# Altium PCB STM32unitV1.PcbDoc (part 2 of 4) (continued)
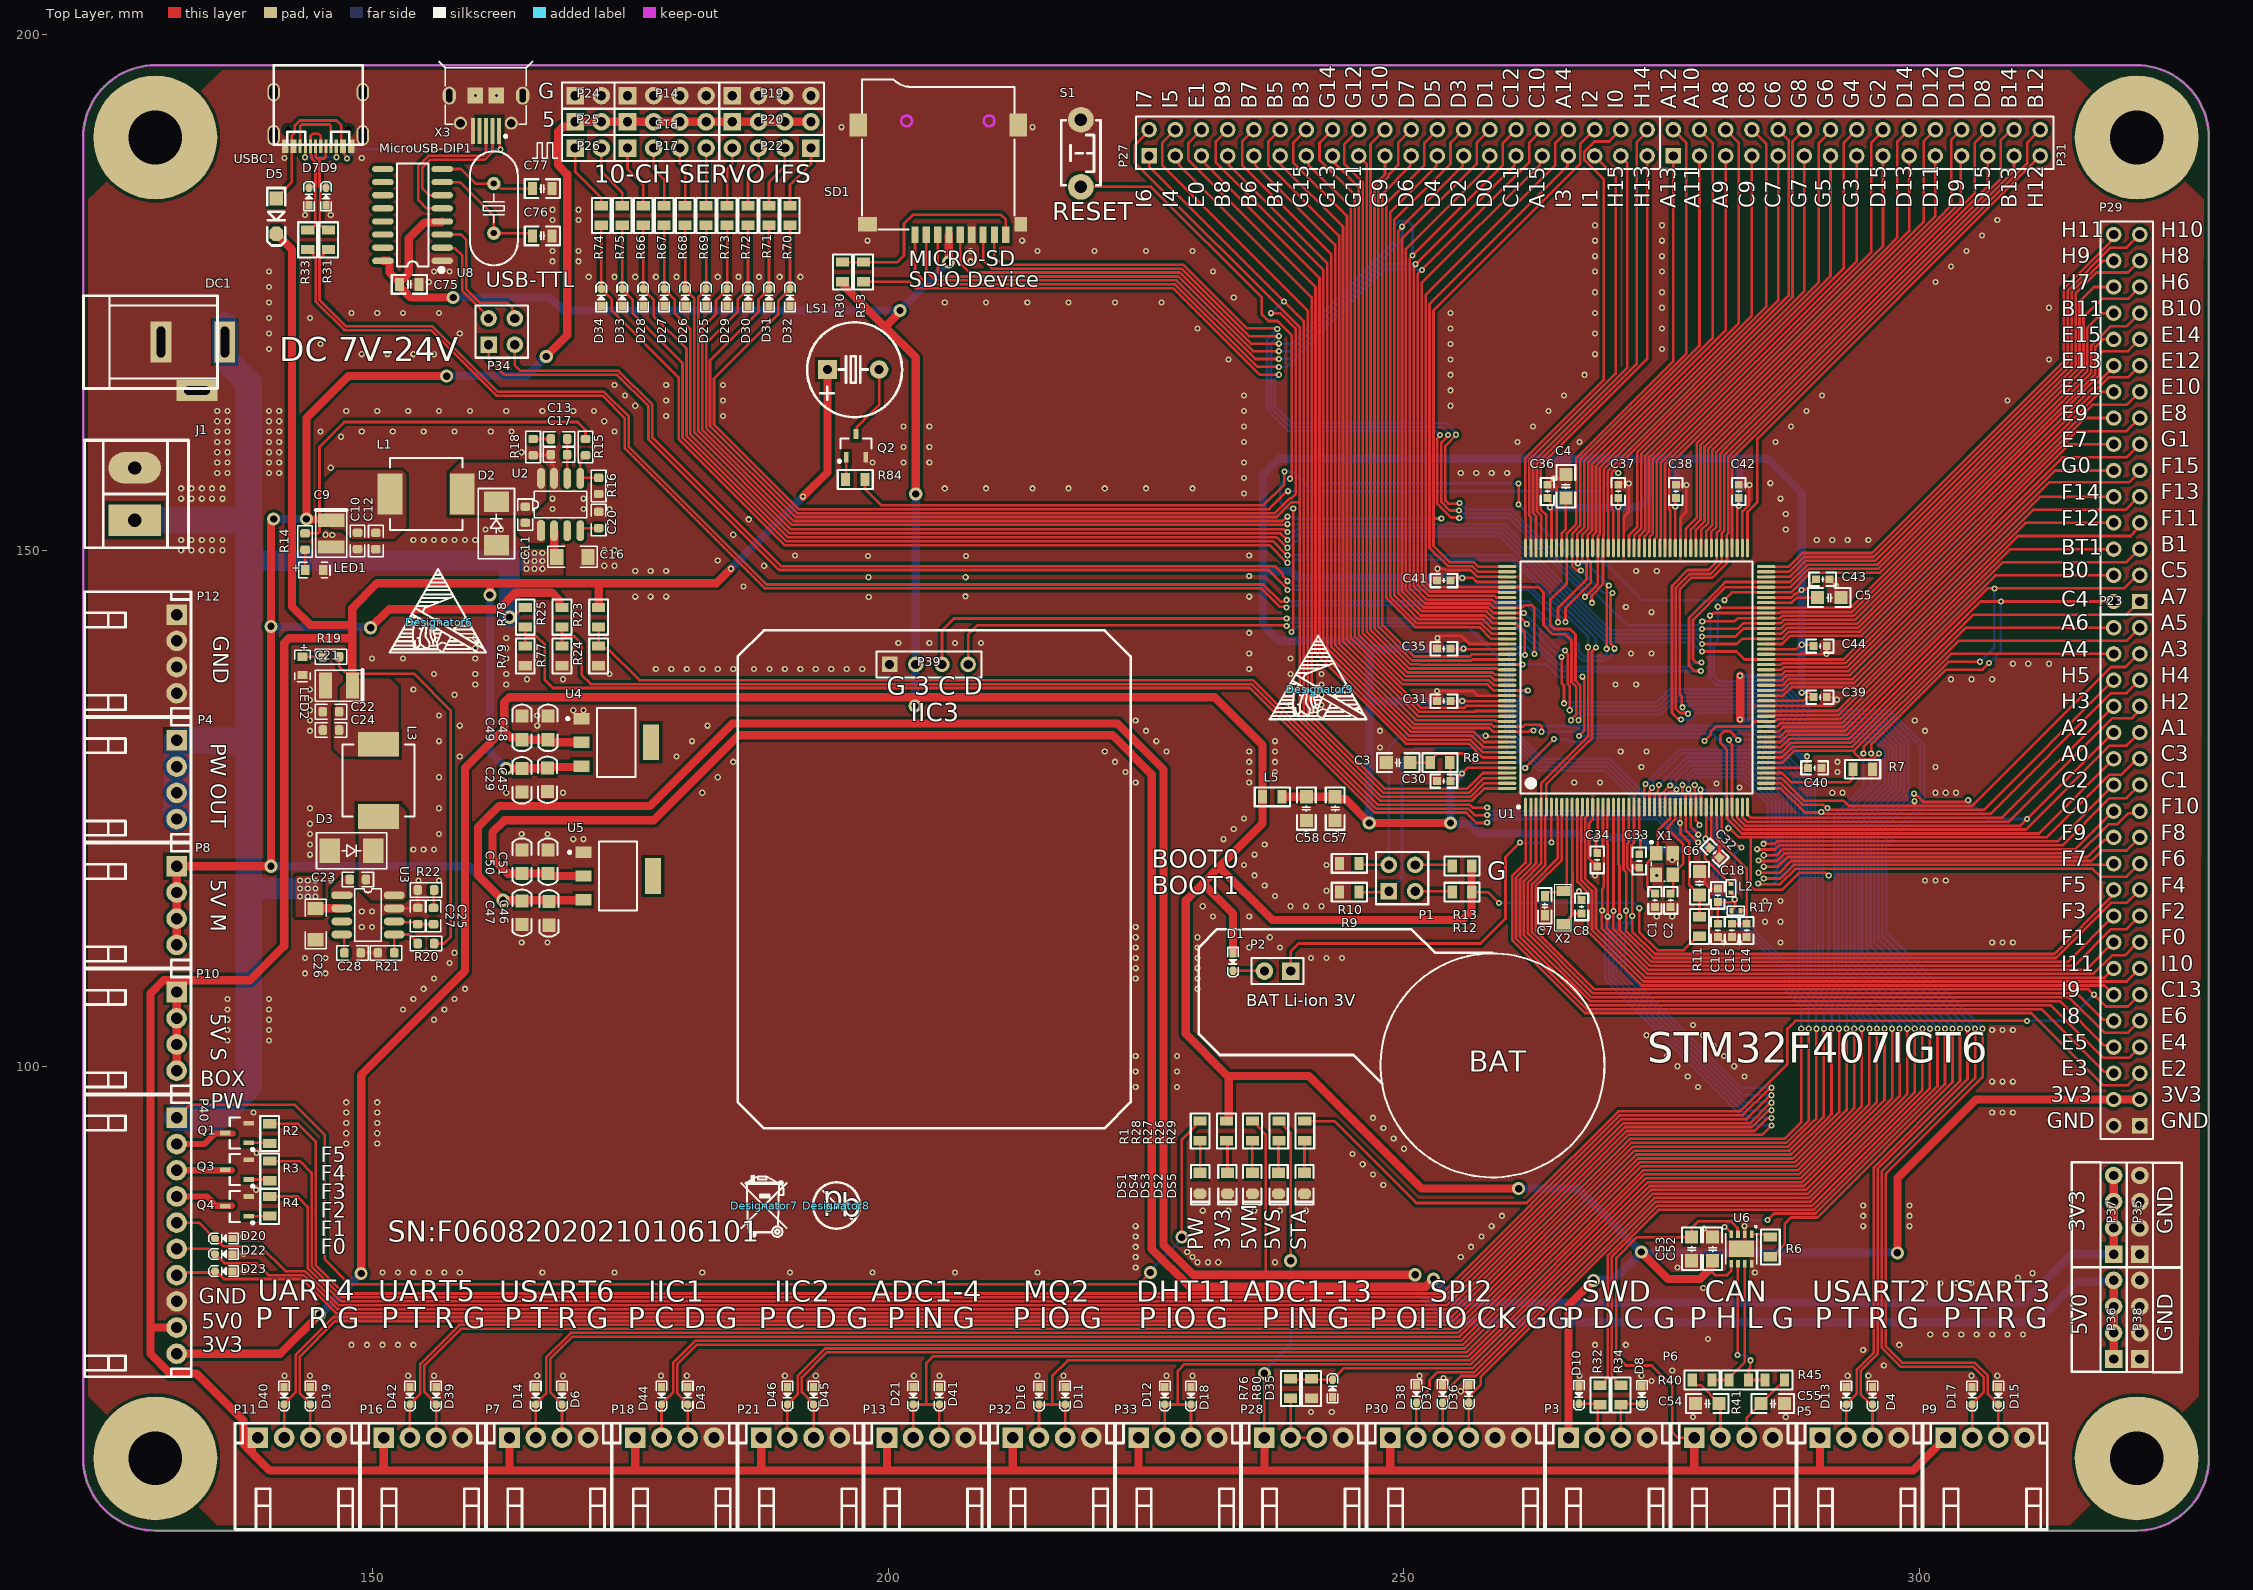
[diagram p0: Top Layer view]
## Nets (pads, with @x,y where several pads share a name; then routed paths per layer and width w, separated by ;. In a path a pad name is that pad's centre, name@x,y a point inside that pad or via, vN(x,y) a via of type N, cw(c..) or ccw(c..) an arc to the next point about the centre after c; other vN are vias at no path point) (continued)
NetP26_2: P26.2 R75.2 | length 6.4
  Top Layer w0.254: P26.2@172.212,188.976 172.212,186.69 174.244,184.658 R75.2@174.244,183.388
NetP28_2: P28.2 P28.3 R76.2 | length 6.4
  Top Layer w0.254: R76.2@239.014,67.818 P28.2@239.014,64.008 P28.3@241.554,64.008
NetP34_2: P34.2 U8.2 | length 10.1
  Top Layer w0.254: U8.2@157.48,179.324 U8.2@156.799,179.324 156.865,179.258 158.054,179.258 158.75,178.562 158.75,175.133 161.29,172.593 P34.2@161.29,172.466
NetP34_4: P34.4 U8.3 | length 13.7
  Top Layer w0.254: U8.3@156.799,180.594 158.623,180.594 159.131,180.086 159.131,175.291 160.432,173.99 163.092,173.99 163.572,173.509 163.572,172.724 P34.4@163.83,172.466
NetP40_2: P40.2 Q1.3 | length 5.9
  Top Layer w0.6: P40.2@131.064,92.456 133.731,92.456 134.747,93.472 136.525,93.472
NetP40_3: P40.3 Q3.3 | length 5.3
  Top Layer w0.6: P40.3@131.064,89.916 136.398,89.916
NetP40_4: P40.4 Q4.3 | length 5.7
  Top Layer w0.6: P40.4@131.064,87.376 133.985,87.376 134.874,86.487 136.398,86.487
NetQ1_1: Q1.1 R2.1 | length 2.1
  Top Layer w0.254: Q1.1@138.049,92.583 140.015,92.583 R2.1@140.081,92.517
NetQ2_1: Q2.1 R84.1 | length 2.2
  Top Layer w0.254: R84.1@195.874,156.845 195.94,156.911 Q2.1@195.94,159.004
NetQ3_1: Q3.1 R3.1 | length 2.1
  Top Layer w0.254: Q3.1@138.049,89.027 139.954,89.027 R3.1@140.081,88.9
NetQ4_1: Q4.1 R4.1 | length 2
  Top Layer w0.254: Q4.1@138.049,85.471 R4.1@140.081,85.471
NetR7_1: R7.1 U1.48 | length 9.8
  Top Layer w0.254: U1.48@285.092,128.418 286.625,128.418 287.535,127.508 293.116,127.508 293.502,127.894 R7.1@293.502,128.778
NetR15_1: R15.1 R16.2 U2.5 | length 4.3
  Top Layer w0.254: R15.1@170.688,159.204 170.666,159.204 170.18,158.718 U2.5@170.18,156.972 170.234,157.026 R16.2@171.958,157.026
NetR20_1: R20.1 R21.2 U3.5 | length 4.5
  Top Layer w0.254: R21.2@152.146,110.983 U3.5@152.146,112.761 153.621,112.761 154.432,111.95 R20.1@154.432,111.887
NetR30_1: R30.1 R53.2 SD1.9 | length 21.2
  Top Layer w0.254: R30.1@195.58,177.922 R53.2@197.612,177.922 200.909,177.922 201.549,178.562 201.549,181.645 202.403,182.499 210.947,182.499 211.41,182.036 SD1.9@211.41,180.594
NetR40_2: R40.2 R41.2 U6.7 | length 13.6
  Top Layer w0.254: R40.2@279.842,69.596 R41.2@281.498,69.596 281.498,69.787 283.032,71.321 U6.7@283.032,80.863
NetR41_1: R41.1 R45.2 U6.6 | length 13.9
  Top Layer w0.254: v1(282.321,72.009) 282.346,72.034 282.346,80.838 U6.6@282.372,80.863 ; v1(283.591,71.501) 283.559,71.469 283.559,70.82 283.398,70.659 R41.1@283.398,69.596 R45.2@284.988,69.596
  Bottom Layer w0.254: v1(282.321,72.009) 282.334,71.996 283.096,71.996 v1(283.591,71.501)
NRST: C6.2 R11.2 S1.1 U1.31 | length 119.2
  Top Layer w0.254: S1.1@218.694,185.218 225.5,185.218 236.22,174.498 236.22,172.847 236.855,172.212 237.744,172.212 239.141,170.815 239.141,157.2 238.968,157.027 v1(238.968,156.934) ; v1(239.089,142.09) 239.089,142.183 239.272,142.367 239.272,154.047 v1(239.268,154.051) ; v1(276.738,123.571) 276.792,123.517 276.792,122.534 277.663,121.662 277.663,117.561 C6.2@278.638,116.586 R11.2@278.638,114.488 ; v1@276.792,123.571 U1.31@276.792,125.118
  Bottom Layer w0.254: v1(238.968,156.934) 238.927,156.893 238.554,156.893 237.998,156.337 237.998,154.686 238.633,154.051 v1(239.268,154.051) ; v1(239.089,142.09) 239.62,142.621 256.159,142.621 259.842,138.938 259.842,131.826 263.017,128.651 269.494,128.651 273.05,125.095 275.308,125.095 276.738,123.665 v1(276.738,123.571)
PA0: D14.2 P7.2 P23.30 U1.40 | length 235.2
  Top Layer w0.254: P7.2@165.862,64.008 D14.2@165.862,67.222 165.862,67.272 166.878,68.288 166.878,71.786 169.26,74.168 255.247,74.168 272.519,91.44 287.524,91.44 291.077,94.993 291.43,95.346 v1(291.43,103.632) ; v1(282.385,131.618) 282.385,131.683 281.607,132.461 281.051,132.461 280.67,132.08 280.67,131.318 281.292,130.696 U1.40@281.292,125.118 281.301,125.109 281.301,123.991 282.737,122.555 311.531,122.555 P23.30@318.77,129.794
  Bottom Layer w0.254: v1(282.385,131.618) 282.42,131.653 283.926,131.653 288.671,126.908 288.671,107.981 291.43,105.222 v1(291.43,103.632)
PA1: D6.2 P7.3 P23.31 U1.41 | length 237.2
  Top Layer w0.254: P7.3@168.402,64.008 D6.2@168.402,67.222 168.402,67.272 167.259,68.415 167.259,71.628 169.418,73.787 255.404,73.787 272.676,91.059 287.682,91.059 292.164,95.541 v1(292.164,103.632) ; v1(281.507,131.618) 281.573,131.552 281.573,131.367 281.792,131.149 U1.41@281.792,125.118 281.801,125.109 281.801,124.03 282.894,122.936 310.261,122.936 318.389,131.064 320.04,131.064 P23.31@321.31,132.334
  Bottom Layer w0.254: v1(281.507,131.618) 282.061,132.172 283.945,132.172 289.052,127.065 289.052,108.139 292.164,105.027 v1(292.164,103.632)
PA2: D13.2 P5.2 P23.32 U1.42 | length 125.7
  Top Layer w0.254: U1.42@282.292,125.118 282.301,125.109 282.301,124.068 283.052,123.317 309.753,123.317 P23.32@318.77,132.334 ; P5.2@292.862,64.008 D13.2@292.862,67.222 292.862,67.272 293.878,68.288 293.878,70.612 295.529,72.263 295.529,90.201 303.881,98.553 v1(303.881,103.632) ; v1(299.426,126.409) 299.52,126.409 299.692,126.237 299.695,126.237 300.33,125.603 304.406,125.603 304.579,125.776 v1(304.673,125.776)
  Bottom Layer w0.254: v1(299.426,126.409) 299.345,126.409 295.585,122.65 295.585,111.984 303.881,103.688 v1(303.881,103.632) ; v1(304.673,125.776) 306.497,123.952 v1(310.388,123.952)
PA3: D4.2 P5.3 P23.37 U1.47 | length 115.6
  Top Layer w0.254: U1.47@285.092,127.918 286.586,127.918 288.05,126.454 288.23,126.274 288.528,125.976 288.774,125.73 292.608,125.73 293.116,125.222 299.466,125.222 ; P5.3@295.402,64.008 D4.2@295.402,67.222 295.23,67.394 295.064,67.394 294.259,68.199 294.259,70.454 295.91,72.105 295.91,90.043 304.609,98.742 v1(304.609,103.632) ; v1(299.466,125.683) 299.466,125.222 ; P23.37@321.31,139.954 321.183,139.954 319.913,138.684 318.516,138.684 305.054,125.222 299.466,125.222
  Bottom Layer w0.254: v1(299.466,125.683) 299.4,125.617 299.092,125.617 295.966,122.492 295.966,112.33 304.609,103.688 v1(304.609,103.632)
PA4: D35.2 P23.38 R76.1 R80.2 U1.50 | length 148.6
  Top Layer w0.254: R76.1@239.014,69.718 239.114,69.618 241.046,69.618 D35.2@243.078,69.618 244.199,70.739 256.667,70.739 273.939,88.011 288.945,88.011 298.034,97.1 v1(298.034,103.632) ; U1.50@285.092,129.418 286.677,129.418 287.844,130.585 293.618,130.585 ; v1(296.037,130.302) 296.037,130.281 295.504,129.748 294.284,129.748 293.618,130.413 293.618,130.585 ; P23.38@318.77,139.954 302.987,139.954 293.618,130.585
  Bottom Layer w0.254: 292.608,124.102 292.481,123.975 292.481,109.601 298.014,104.068 298.014,103.652 v1(298.034,103.632) ; 292.608,124.103 296.037,127.532 v1(296.037,130.302)
PA5: P23.39 U1.51 | length 41.4
  Top Layer w0.254: U1.51@285.092,129.918 286.638,129.918 287.686,130.966 293.461,130.966 303.719,141.224 320.04,141.224 P23.39@321.31,142.494
PA6: P23.40 U1.52 | length 38.7
  Top Layer w0.254: U1.52@285.092,130.418 286.599,130.418 287.528,131.347 293.303,131.347 304.45,142.494 P23.40@318.77,142.494
PA7: P29.1 U1.53 | length 42.1
  Top Layer w0.254: U1.53@285.092,130.918 286.526,130.918 287.336,131.728 293.145,131.728 305.181,143.764 320.04,143.764 P29.1@321.31,145.034
PA8: P31.6 U1.119 | length 46.9
  Top Layer w0.254: U1.119@268.292,150.218 268.301,150.227 268.301,151.448 268.605,151.752 268.605,158.169 282.448,172.012 282.448,189.484 P31.6@281.178,190.754
PA9: P31.5 P34.3 U1.120 | length 168
  Top Layer w0.254: P34.3@163.83,169.926 163.83,167.925 164.369,167.386 173.894,167.386 177.165,164.115 177.165,160.909 189.611,148.463 237.49,148.463 238.263,147.69 238.263,147.51 238.718,147.055 v1(238.718,147.002) ; v1(265.649,143.04) 265.649,144.386 268.097,146.833 268.097,148.834 267.792,149.139 U1.120@267.792,150.218 267.801,150.227 267.801,151.486 268.224,151.91 268.224,158.327 281.178,171.281 P31.5@281.178,188.214
  Bottom Layer w0.254: v1(238.718,147.002) 238.793,147.002 239.237,146.558 262.172,146.558 265.649,143.081 v1(265.649,143.04)
PA10: P31.4 P34.1 U1.121 | length 172.5
  Top Layer w0.254: P34.1@161.29,169.926 161.29,168.529 162.814,167.005 173.736,167.005 176.784,163.957 176.784,160.751 189.453,148.082 236.855,148.082 238.714,146.223 v1(238.714,146.161) ; v1(264.922,143.024) 264.922,144.399 267.692,147.169 267.692,148.674 267.292,149.074 U1.121@267.292,150.218 267.292,151.516 267.843,152.067 267.843,158.485 279.908,170.55 279.908,189.484 P31.4@278.638,190.754
  Bottom Layer w0.254: v1(238.714,146.161) 238.73,146.177 262.014,146.177 264.856,143.335 264.856,143.09 v1(264.922,143.024)
PA11: P31.3 R31.1 U1.122 | length 201.8
  Top Layer w0.254: R31.1@145.796,179.136 145.606,179.136 145.288,178.818 145.288,178.628 144.907,178.247 144.907,174.275 147.478,171.704 155.86,171.704 162.21,165.354 172.466,165.354 174.879,162.941 174.879,160.02 188.214,146.685 236.347,146.685 238.017,145.015 238.357,145.015 238.539,145.197 v1(238.633,145.197) ; v1(266.846,148.717) 266.801,148.762 266.801,150.209 U1.122@266.792,150.218 266.792,151.555 267.462,152.225 267.462,158.643 278.638,169.819 P31.3@278.638,188.214 ; v1(269.642,140.449) 269.637,140.453 269.637,146.276 269.849,146.487 v1(269.849,146.581)
  Bottom Layer w0.254: v1(238.633,145.197) 238.726,145.197 238.882,145.041 262.121,145.041 265.176,141.986 265.852,141.986 266.954,140.884 266.954,140.208 267.462,139.7 269.367,139.7 269.642,139.975 v1(269.642,140.449) ; v1(266.846,148.717) 267.713,148.717 v1(269.849,146.581)
PA12: P31.2 R33.1 U1.123 | length 206.7
  Top Layer w0.254: R33.1@143.764,179.136 143.955,179.136 144.272,178.818 144.272,178.628 144.526,178.374 144.526,174.117 147.32,171.323 155.702,171.323 162.052,164.973 172.308,164.973 174.498,162.783 174.498,159.862 188.056,146.304 236.189,146.304 237.984,144.509 238.555,144.509 v1(238.621,144.442) ; v1(267.138,148.047) 267.113,148.071 266.703,148.071 266.292,148.482 U1.123@266.292,150.218 266.292,151.594 267.081,152.383 267.081,158.8 277.368,169.087 277.368,189.484 P31.2@276.098,190.754 ; v1(270.208,145.867) 270.208,145.773 270.018,145.583 270.018,140.942 270.403,140.557 v1(270.403,140.464)
  Bottom Layer w0.254: v1(238.621,144.442) 238.687,144.509 238.997,144.509 239.141,144.653 261.96,144.653 265.015,141.598 265.701,141.598 266.566,140.733 266.566,140.047 267.301,139.312 269.571,139.312 270.337,140.078 270.337,140.397 v1(270.403,140.464) ; v1(267.138,148.047) 267.159,148.047 269.338,145.867 v1(270.208,145.867)
PA13: P31.1 R32.1 U1.124 | length 183.7
  Top Layer w0.254: v1(266.908,133.523) 266.908,133.617 267.081,133.79 267.081,136.906 266.619,137.368 266.619,141.813 266.065,142.367 264.563,142.367 264.16,142.77 264.16,145.161 265.792,146.793 U1.124@265.792,150.218 265.792,151.633 266.7,152.541 266.7,158.958 276.098,168.356 P31.1@276.098,188.214 ; R32.1@268.986,69.088 269.176,69.088 269.494,69.406 269.494,69.596 269.748,69.85 269.748,81.661 274.574,86.487 289.576,86.487 300.616,97.527 300.969,97.88 v1(300.969,103.632)
  Bottom Layer w0.254: v1(266.908,133.523) 267.497,134.112 274.952,134.112 276.222,135.382 285.842,135.382 288.636,132.588 296.151,132.588 297.734,131.005 297.734,126.954 294.005,123.225 294.005,110.646 300.969,103.682 v1(300.969,103.632)
PA14: P27.34 R34.1 U1.137 | length 199.9
  Top Layer w0.254: U1.137@259.992,146.409 252.625,146.409 252.095,146.939 252.095,174.752 264.668,187.325 264.668,189.484 P27.34@265.938,190.754 ; U1.137@259.992,146.418 260.001,146.427 260.783,146.427 260.788,146.431 263.017,146.431 263.525,145.923 263.525,142.748 264.414,141.859 265.638,141.859 266.238,141.259 266.238,137.21 266.7,136.748 266.7,134.098 266.181,133.579 v1(266.181,133.523) ; R34.1@271.018,69.088 270.827,69.088 270.51,69.406 270.51,69.596 270.129,69.977 270.129,81.503 274.732,86.106 289.734,86.106 301.7,98.073 v1(301.7,103.632)
  Bottom Layer w0.254: v1(266.181,133.523) 266.181,133.579 267.095,134.493 274.794,134.493 276.064,135.763 286,135.763 288.794,132.969 296.309,132.969 298.115,131.163 298.115,126.796 294.386,123.067 294.386,110.999 301.7,103.684 v1(301.7,103.632)
PA15: P27.31 U1.138 | length 54.9
  Top Layer w0.254: U1.138@259.992,145.918 259.23,145.918 259.146,146.002 252.494,146.002 251.714,146.781 251.714,175.895 263.17,187.351 263.17,187.986 P27.31@263.398,188.214
PB0: P29.4 U1.56 | length 40
  Top Layer w0.254: U1.56@285.092,132.418 285.101,132.427 286.322,132.427 286.766,132.871 292.599,132.871 307.302,147.574 P29.4@318.77,147.574
PB1: P29.5 U1.57 | length 43.3
  Top Layer w0.254: U1.57@285.092,132.918 285.101,132.927 286.187,132.927 286.512,133.252 292.441,133.252 302.641,143.452 308.033,148.844 320.04,148.844 P29.5@321.31,150.114
PB3: P27.14 U1.161 | length 70.5
  Top Layer w0.254: P27.14@240.538,190.754 239.268,189.484 239.268,187.579 244.475,182.372 244.475,141.328 251.437,134.366 256.838,134.366 256.89,134.418 U1.161@259.992,134.418
PB4: P27.11 U1.162 | length 68.5
  Top Layer w0.254: P27.11@237.998,188.214 237.998,187.452 244.094,181.356 244.094,141.17 251.346,133.918 U1.162@259.992,133.918
PB5: P27.12 U1.163 | length 72.5
  Top Layer w0.254: P27.12@237.998,190.754 236.855,189.611 236.855,187.325 243.713,180.467 243.713,140.97 251.146,133.537 258.826,133.537 258.936,133.427 259.983,133.427 U1.163@259.992,133.418
PB8: P27.7 U1.167 | length 72.9
  Top Layer w0.254: P27.7@232.918,188.214 233.045,188.087 233.045,187.325 242.57,177.8 242.57,140.497 250.673,132.394 256.763,132.394 257.741,131.417 258.675,131.417 258.676,131.418 U1.167@259.992,131.418
PB9: P27.8 U1.168 | length 76.9
  Top Layer w0.254: P27.8@232.918,190.754 231.775,189.611 231.775,187.579 242.189,177.165 242.189,140.339 250.515,132.013 256.606,132.013 257.701,130.918 U1.168@259.992,130.918
PB10: D17.2 P9.2 P29.23 U1.79 | length 169.2
  Top Layer w0.254: v1(279.654,143.661) 279.748,143.661 280.004,143.918 U1.79@285.092,143.918 286.412,143.918 286.512,144.018 293.401,144.018 316.611,167.228 316.611,169.863 318.452,171.704 320.04,171.704 P29.23@321.31,172.974 ; P9.2@305.054,64.008 D17.2@305.054,67.222 305.054,67.272 306.197,68.415 306.197,69.85 305.181,70.866 298.165,70.866 296.291,72.74 296.291,89.789 305.343,98.841 v1(305.343,103.632)
  Bottom Layer w0.254: v1(279.654,143.661) 279.654,137.541 280.289,136.906 286.474,136.906 289.268,134.112 296.926,134.112 300.02,131.018 300.02,125.454 299.974,125.408 299.974,125.222 296.347,121.595 296.347,112.677 305.343,103.681 v1(305.343,103.632)
PB11: D15.2 P9.3 P29.24 U1.80 | length 167.8
  Top Layer w0.254: v1(280.416,144.526) 280.51,144.526 280.618,144.418 U1.80@285.092,144.418 293.262,144.418 316.23,167.386 316.23,171.577 317.627,172.974 P29.24@318.77,172.974 ; v1(306.07,103.632) 306.07,98.933 296.672,89.535 296.672,72.898 298.323,71.247 305.339,71.247 306.578,70.008 306.578,68.238 D15.2@307.594,67.222 P9.3@307.594,64.008
  Bottom Layer w0.254: v1(280.416,144.526) 280.416,141.288 280.035,140.907 280.035,137.795 280.543,137.287 286.632,137.287 289.426,134.493 297.084,134.493 300.401,131.176 300.401,125.11 296.728,121.438 296.728,113.03 306.07,103.688 v1(306.07,103.632)
PB12: P31.30 U1.92 | length 52.9
  Top Layer w0.254: U1.92@281.792,150.218 281.792,158.887 310.388,187.483 310.388,189.484 P31.30@311.658,190.754
PB13: D36.2 P30.4 P31.27 U1.93 | length 188.1
  Top Layer w0.254: P30.4@256.286,64.008 D36.2@256.286,67.388 256.294,67.396 256.294,67.986 257.429,69.122 257.429,69.881 274.416,86.868 289.418,86.868 300.235,97.685 v1(300.235,103.632) ; v1(276.995,134.778) 276.93,134.844 276.93,135.804 276.733,136.001 276.733,146.242 277.811,147.32 279.843,147.32 281.305,148.782 281.305,149.422 281.301,149.427 U1.93@281.301,149.856 ; U1.93@281.292,150.218 281.292,151.519 281.411,151.638 281.411,159.045 309.118,186.752 P31.27@309.118,188.214
  Bottom Layer w0.254: v1(276.995,134.778) 277.089,134.778 277.312,135.001 285.685,135.001 288.479,132.207 295.993,132.207 297.353,130.847 297.353,127.111 293.624,123.382 293.624,110.293 300.235,103.682 v1(300.235,103.632)
PB14: D37.2 P30.3 P31.28 U1.94 | length 193.1
  Top Layer w0.254: P30.3@253.746,64.008 D37.2@253.746,67.388 253.746,67.438 254.635,68.327 254.635,69.088 255.524,69.977 256.983,69.977 274.255,87.249 289.26,87.249 299.502,97.49 v1(299.502,103.632) ; v1(277.535,134.158) 277.469,134.224 276.766,134.224 276.352,134.638 276.352,146.4 277.653,147.701 279.685,147.701 280.792,148.808 U1.94@280.792,150.218 280.792,151.638 281.03,151.876 281.03,159.202 307.848,186.02 307.848,189.738 308.864,190.754 P31.28@309.118,190.754
  Bottom Layer w0.254: v1(277.535,134.158) 277.997,134.62 285.527,134.62 288.321,131.826 295.835,131.826 296.972,130.689 296.972,127.269 293.243,123.54 293.243,110.109 299.435,103.917 299.435,103.698 v1(299.502,103.632)
PB15: D38.2 P30.2 P31.25 U1.95 | length 191.6
  Top Layer w0.254: P30.2@251.206,64.008 D38.2@251.206,67.388 251.206,67.438 252.476,68.708 252.476,69.596 253.238,70.358 256.825,70.358 274.097,87.63 289.102,87.63 298.415,96.943 298.768,97.295 v1(298.768,103.632) ; v1(276.86,133.604) 276.794,133.67 276.54,133.67 275.971,134.239 275.971,146.558 277.495,148.082 279.527,148.082 280.292,148.847 U1.95@280.292,150.218 280.292,151.677 280.649,152.034 280.649,159.36 281.18,159.891 306.578,185.289 P31.25@306.578,188.214
  Bottom Layer w0.254: v1(276.86,133.604) 277.764,133.604 278.399,134.239 285.369,134.239 288.163,131.445 295.677,131.445 296.591,130.531 296.591,127.427 293.129,123.965 292.862,123.698 292.862,109.855 298.702,104.015 298.702,103.698 v1(298.768,103.632)
PC0: P23.26 R78.1 R79.2 U1.32 | length 185.5
  Top Layer w0.254: R79.2@164.846,140.716 164.846,141.638 ; R78.1@164.846,142.56 164.846,141.638 ; v1(258.064,123.606) 258.029,123.571 257.048,123.571 256.032,124.587 247.142,124.587 235.077,136.652 167.513,136.652 166.751,137.414 166.751,140.843 165.956,141.638 164.846,141.638 ; v1(276.987,127.254) 276.987,126.471 277.283,126.174 277.283,125.127 U1.32@277.292,125.118 277.292,122.885 v1(278.511,121.666) ; v1(284.861,120.445) 286.162,120.445 286.748,121.031 315.087,121.031 P23.26@318.77,124.714
  Bottom Layer w0.254: v1(258.064,123.606) 258.12,123.606 258.466,123.952 274.496,123.952 276.528,121.92 278.048,121.92 278.236,121.732 278.445,121.732 v1(278.511,121.666) ; v1(276.987,127.254) 276.987,127.666 278.099,128.778 282.987,128.778 286.004,125.761 286.004,120.65 285.75,120.396 284.91,120.396 v1(284.861,120.445)
PC1: P23.27 R25.1 R77.2 U1.33 | length 182.6
  Top Layer w0.254: R77.2@168.402,140.716 168.402,141.638 ; R25.1@168.402,142.56 168.402,141.638 ; v1(258.064,124.333) 256.825,124.333 256.19,124.968 247.3,124.968 235.235,137.033 171.196,137.033 170.307,137.922 170.307,140.97 169.639,141.638 168.402,141.638 ; v1(277.582,126.836) 277.582,126.742 277.792,126.531 277.792,123.168 v1(278.522,122.439) ; v1(284.226,121.031) 284.258,120.999 285.941,120.999 286.354,121.412 313.817,121.412 318.389,125.984 320.04,125.984 P23.27@321.31,127.254
  Bottom Layer w0.254: v1(258.064,124.333) 274.654,124.333 276.686,122.301 278.29,122.301 278.428,122.439 v1(278.522,122.439) ; v1(277.582,126.836) 277.582,127.722 278.257,128.397 282.829,128.397 285.623,125.603 285.623,121.158 285.464,120.999 284.258,120.999 v1(284.226,121.031)
PC2: P23.28 R23.1 R24.2 U1.34 | length 170.1
  Top Layer w0.254: R24.2@171.958,140.716 171.958,140.938 171.958,141.351 ; R23.1@171.958,142.56 171.958,141.351 ; v1(258.064,125.06) 256.637,125.06 256.348,125.349 247.458,125.349 235.393,137.414 175.895,137.414 172.825,140.484 172.466,140.484 172.371,140.579 172.371,140.938 172.053,140.938 171.958,141.034 171.958,141.351 ; v1(278.176,127.254) 278.176,126.298 278.283,126.19 278.283,125.127 U1.34@278.292,125.118 278.292,123.803 278.638,123.457 v1(278.638,123.364) ; v1(284.84,121.553) 285.956,121.553 286.196,121.793 313.309,121.793 P23.28@318.77,127.254
  Bottom Layer w0.254: v1(258.064,125.06) 258.12,125.06 258.466,124.714 274.812,124.714 276.763,122.763 278.037,122.763 v1(278.638,123.364) ; v1(278.176,127.254) 278.176,127.777 278.415,128.016 282.671,128.016 285.242,125.445 285.242,121.955 v1(284.84,121.553)
PC3: D21.2 D41.2 P13.2 P13.3 P23.29 U1.35 | length 203.7
  Top Layer w0.254: P13.2@202.438,64.008 D21.2@202.438,67.222 203.708,67.222 ; P13.3@204.978,64.008 D41.2@204.978,67.222 203.708,67.222 ; v1(278.74,126.795) 278.783,126.752 278.783,125.127 U1.35@278.792,125.118 ; v1(281.432,123.063) 281.526,123.063 281.69,122.899 281.723,122.899 282.448,122.174 283.591,122.174 312.27,122.174 317.766,127.67 318.354,128.258 319.52,128.258 321.056,129.794 P23.29@321.31,129.794 ; 283.718,122.174 283.591,122.047 283.591,117.475 283.972,117.094 286.639,117.094 288.29,118.745 290.843,118.745 291.097,118.491 v1(291.165,118.491) ; v1(295.833,103.632) 295.833,96.515 288.471,89.154 273.466,89.154 256.194,71.882 204.343,71.882 203.708,71.247 203.708,67.222
  Bottom Layer w0.254: v1(278.74,126.795) 280.494,126.795 281.432,125.857 v1(281.432,123.063) ; v1(291.165,118.491) 291.165,108.758 295.833,104.09 v1(295.833,103.632)
PC4: D12.2 D18.2 P29.2 P33.2 P33.3 U1.54 | length 190.6
  Top Layer w0.254: P33.2@226.822,64.008 D12.2@226.822,67.222 228.092,67.222 ; P33.3@229.362,64.008 D18.2@229.362,67.222 228.092,67.222 ; U1.54@285.092,131.418 286.487,131.418 287.178,132.109 292.953,132.109 305.878,145.034 P29.2@318.77,145.034 ; v1(295.275,130.302) 295.275,131.16 302.545,138.43 306.07,138.43 v1(306.705,139.065) ; v1(297.3,103.632) 297.3,96.905 296.947,96.553 288.787,88.392 273.781,88.392 256.509,71.12 228.727,71.12 228.092,70.485 228.092,67.222
  Bottom Layer w0.254: 292.227,124.259 292.1,124.132 292.1,109.22 297.267,104.053 297.267,103.666 v1(297.3,103.632) ; 292.227,124.26 295.275,127.308 v1(295.275,130.302) ; v1(306.705,139.065) 307.848,140.208 v1(307.848,145.034)
PC5: D11.2 D16.2 P29.3 P32.2 P32.3 U1.55 | length 206
  Top Layer w0.254: P32.2@214.63,64.008 D16.2@214.63,67.222 215.9,67.222 ; P32.3@217.17,64.008 D11.2@217.17,67.222 215.9,67.222 ; U1.55@285.092,131.918 286.448,131.918 287.02,132.49 292.757,132.49 306.571,146.304 319.786,146.304 321.056,147.574 P29.3@321.31,147.574 ; v1(294.513,130.302) 294.559,130.348 294.559,130.983 302.768,139.192 v1(305.816,139.192) ; v1(296.566,103.632) 296.566,96.71 288.629,88.773 273.623,88.773 256.351,71.501 217.424,71.501 215.9,69.977 215.9,67.222
  Bottom Layer w0.254: v1(294.513,130.302) 294.513,127.096 291.846,124.429 291.846,124.417 291.719,124.29 291.719,108.839 296.519,104.039 296.519,103.68 v1(296.566,103.632) ; v1(305.816,139.192) 307.213,140.589 v1(307.213,146.304)
PC6: D32.2 P31.10 R70.1 U1.115 | length 163.5
  Top Layer w0.254: R70.1@190.5,181.488 D32.2@190.5,175.348 190.5,175.298 189.357,174.155 189.357,172.847 183.134,166.624 183.134,162.179 191.33,153.983 236.914,153.983 238.482,155.551 238.493,155.551 238.666,155.724 v1(238.76,155.724) ; U1.115@270.292,150.218 270.292,153.832 270.129,153.995 270.129,157.538 287.274,174.683 287.274,189.738 P31.10@286.258,190.754 ; 270.354,157.763 270.387,157.763 270.67,157.48 v1(270.764,157.48)
  Bottom Layer w0.254: v1(238.76,155.724) 261.239,155.724 261.62,155.724 269.008,155.724 v1(270.764,157.48)
PC7: P31.9 U1.116 | length 44.9
  Top Layer w0.254: U1.116@269.792,150.218 269.792,153.793 269.748,153.837 269.748,157.696 286.258,174.206 P31.9@286.258,188.214
PC8: P31.8 SD1.7 U1.117 | length 139.1
  Top Layer w0.254: SD1.7@209.21,180.594 209.21,178.14 210.058,177.292 228.442,177.292 234.989,170.745 v1(237.871,170.745) ; v1(254.254,161.163) 254.254,161.069 253.619,160.434 253.619,154.655 254.416,153.858 v1(255.331,153.858) ; v1(268.224,144.907) 268.224,145.638 269.292,146.706 U1.117@269.292,150.218 269.301,150.227 269.301,151.37 269.367,151.436 269.367,157.853 285.115,173.602 285.115,189.357 P31.8@283.718,190.754
  Bottom Layer w0.254: v1(237.871,170.745) 237.815,170.745 237.109,170.039 237.109,163.799 238.983,161.925 253.746,161.925 254.254,161.417 v1(254.254,161.163) ; v1(255.331,153.858) 255.424,153.858 255.739,153.543 260.266,153.543 265.854,147.955 268.09,145.719 268.09,145.134 268.224,145.001 v1(268.224,144.907)
PC9: P31.7 SD1.8 U1.118 | length 132.9
  Top Layer w0.254: SD1.8@210.31,180.594 210.31,178.437 211.074,177.673 228.6,177.673 234.768,171.505 237.667,171.505 v1(237.717,171.456) ; v1(253.492,161.163) 253.492,161.095 253.238,160.841 253.238,154.497 254.556,153.179 255.299,153.179 v1(255.364,153.114) ; v1(267.536,145.489) 268.792,146.745 U1.118@268.792,150.218 268.801,150.227 268.801,151.409 268.986,151.594 268.986,158.011 283.718,172.743 P31.7@283.718,188.214
  Bottom Layer w0.254: v1(237.717,171.456) 237.717,171.384 236.728,170.395 236.728,163.641 238.825,161.544 253.111,161.544 v1(253.492,161.163) ; v1(255.364,153.114) 255.413,153.162 260.108,153.162 265.696,147.574 267.47,145.8 267.47,145.555 v1(267.536,145.489)
PC10: P27.32 SD1.1 U1.139 | length 118.7
  Top Layer w0.254: SD1.1@202.61,180.594 202.61,176.993 203.835,175.768 227.811,175.768 235.812,167.767 v1(237.871,167.767) ; U1.139@259.992,145.418 259.983,145.427 258.941,145.427 258.77,145.598 252.358,145.598 251.333,146.623 251.333,176.784 262.128,187.579 262.128,189.484 P27.32@263.398,190.754
  Bottom Layer w0.254: v1(237.871,167.767) 238.633,167.767 248.031,177.165 v1(251.745,177.165)
PC11: P27.29 SD1.2 U1.140 | length 113.8
  Top Layer w0.254: SD1.2@203.71,180.594 203.71,177.036 204.597,176.149 227.969,176.149 235.589,168.529 v1(237.871,168.529) ; U1.140@259.992,144.918 258.815,144.918 258.516,145.217 252.2,145.217 250.952,146.466 250.952,177.452 251.196,177.697 251.196,177.79 260.693,187.287 260.693,188.049 P27.29@260.858,188.214
  Bottom Layer w0.254: v1(237.871,168.529) 238.856,168.529 248.051,177.724 v1(251.13,177.724)
PC12: D40.2 P11.2 P27.30 SD1.5 U1.141 | length 355.7
  Top Layer w0.254: P11.2@141.478,64.008 D40.2@141.478,67.222 141.478,67.272 142.621,68.415 142.621,72.04 146.273,75.692 254.615,75.692 271.887,92.964 286.893,92.964 288.495,94.566 v1(288.495,103.632) ; SD1.5@207.01,180.594 207.01,177.8 207.899,176.911 228.284,176.911 235.177,170.018 v1(237.871,170.018) ; P27.30@260.858,190.754 259.588,189.484 259.588,187.325 v1(250.825,178.562) 250.571,178.308 250.571,146.308 252.042,144.836 258.318,144.836 258.728,144.427 259.983,144.427 U1.141@259.992,144.418 261.273,144.418 261.325,144.47 261.485,144.47 261.69,144.675 262.36,144.675 262.636,144.399 v1(262.636,139.954)
  Bottom Layer w0.254: v1(237.871,170.018) 239.202,170.018 249.047,179.863 249.047,181.377 249.58,181.91 250.398,181.91 250.825,181.483 v1(250.825,178.562) ; P27.30@260.731,190.754 P27.30@260.858,190.754 ; v1(262.636,139.954) 262.001,140.589 260.477,140.589 260.223,140.335 260.223,131.984 263.175,129.032 269.652,129.032 273.208,125.476 278.068,125.476 280.035,123.509 280.035,116.016 286.893,109.158 286.893,107.438 288.495,105.836 v1(288.495,103.632)
PC13: P23.11 R29.2 U1.8 | length 165.2
  Top Layer w0.254: R29.2@240.386,94.676 243.271,94.676 251.206,86.741 261.893,86.741 270.783,95.631 282.554,95.631 287.147,100.224 287.147,103.622 287.919,104.394 v1(310.388,104.394) ; U1.8@265.292,125.118 265.292,120.004 262.763,117.475 262.763,113.157 268.478,107.442 316.357,107.442 318.008,105.791 320.167,105.791 P23.11@321.31,106.934
  Bottom Layer w0.254: v1(310.388,104.394) 314.325,104.394 v1(316.865,106.934)
PC14: C7.2 U1.9 X2.2 | length 11.9
  Top Layer w0.254: C7.2@263.652,116.464 263.652,116.591 263.906,116.845 265.303,116.845 X2.2@265.43,116.972 ; X2.2@265.424,116.977 X2.2@265.792,117.345 ; U1.9@265.792,125.118 X2.2@265.792,117.345 ; X2.2@265.419,116.972 X2.2@265.792,117.345 ; X2.2@265.419,116.972 X2.2@265.792,117.345 ; X2.2@265.419,116.972 X2.2@265.792,117.345
PC15: C8.2 U1.10 X2.1 | length 12.8
  Top Layer w0.254: X2.1@265.43,113.772 265.58,113.772 265.953,114.145 265.953,114.295 266.319,114.661 ; U1.10@266.292,125.118 266.292,118.851 266.334,118.809 266.334,116.367 266.319,116.352 266.319,114.661 ; C8.2@267.208,114.798 266.456,114.798 266.319,114.661